# Altium PCB smart-ring-main.PcbDoc (part 6 of 6)
Units mm, origin at the board's own origin, x right, y up, seen from the top; angles counter-clockwise.
Board outline 62.7 x 25.3 mm, 6 copper layers (S1 Copper top, S2 Flex copper top, S3 Flex copper inner 1, S4 Flex copper inner 2, S5 Flex copper bottom, S6 Copper bottom), stack 0.511 mm thick; 75 components, 47 nets, 265 pads, 262 vias.
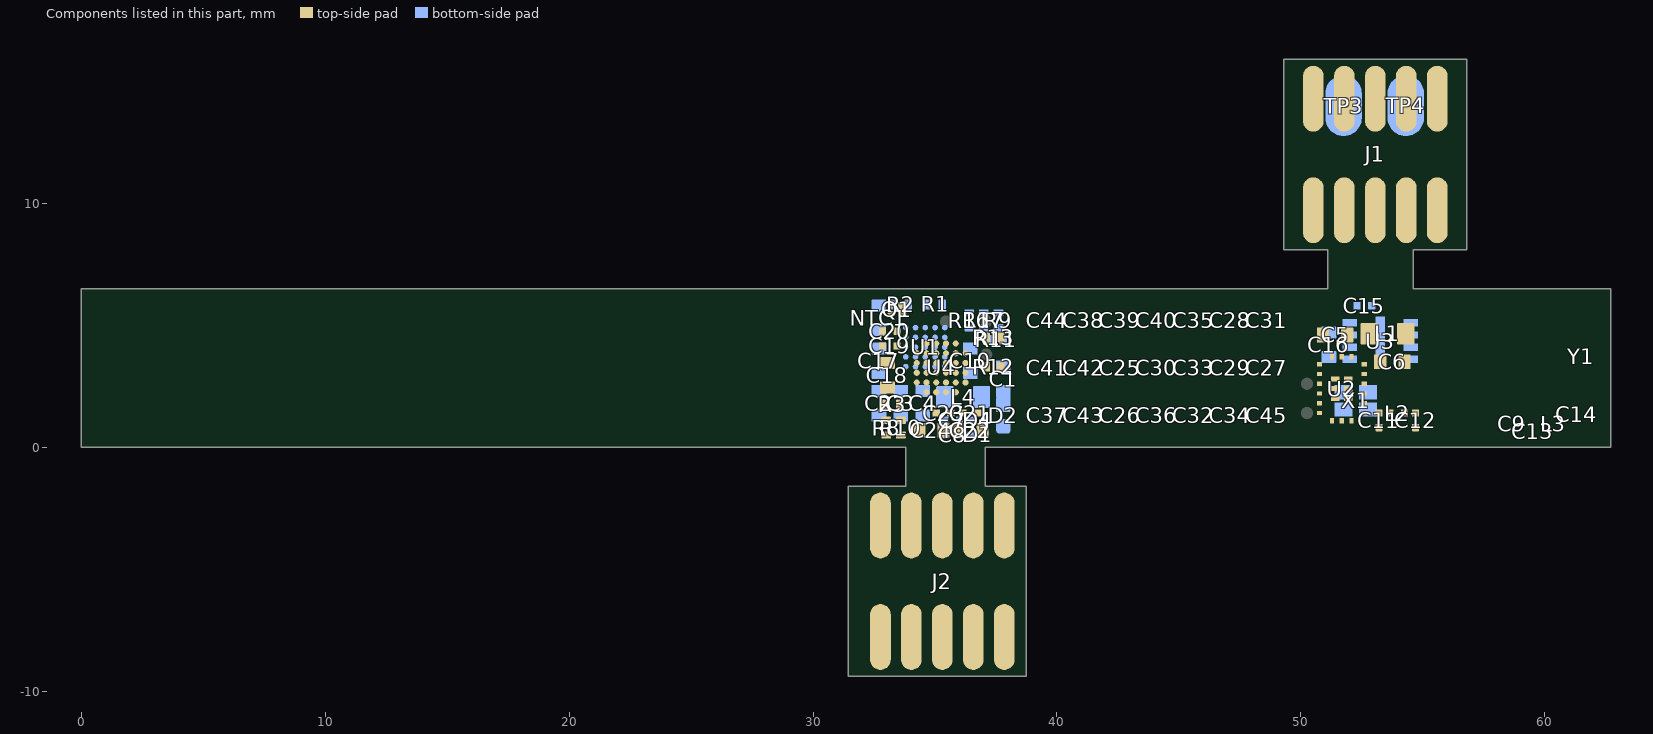
[diagram p10: the components of this part, seen from the top]

## Other copper (continued)
S3 Flex copper inner 1:
  rectangle net GND: 55.7,5.728 56.7,6.297
  rectangle net GND: 55.683,0.201 56.683,1.74
  text "Layer: .Layer_name" at 0,10.564 h3
S4 Flex copper inner 2:
  rectangle net GND: 55.7,5.728 56.7,6.298
  rectangle net GND: 55.683,0.201 56.683,1.74
  text "Layer: .Layer_name" at 0,10.564 h3
S5 Flex copper bottom:
  rectangle net GND: 55.7,5.728 56.7,6.298
  rectangle net GND: 55.683,0.201 56.683,1.74
  pour cut-out: 53.165,1.89 52.335,1.89 52.335,1.21 53.165,1.21
  pour cut-out: 51.335,2.59 52.165,2.59 52.165,1.91 51.335,1.91
  text "Layer: .Layer_name" at 0,10.564 h3
S6 Copper bottom:
  text "Layer: .Layer_name" at 0,10.564 h3

## Silkscreen, mask and mechanical layers (free items; w line width, h text height)
Top Overlay:
  text "Layer: .Layer_name" at 0,10.564 h3
Bottom Overlay:
  text "Layer: .Layer_name" at 0,10.564 h3
Top Paste:
  text "Layer: .Layer_name" at 0,10.564 h3
Bottom Paste:
  text "Layer: .Layer_name" at 0,10.564 h3
Top Solder:
  text "Layer: .Layer_name" at 0,10.564 h3
  text "Mikolaj" at 53.695,5.258 h0.8
Bottom Solder:
  text "Layer: .Layer_name" at 0,10.564 h3
M4 Dimensions:
  text "Layer: .Layer_name" at 0,10.564 h3
M5 Board Outline:
  lines w0.1: 0,0 0,6.5 38.5,6.5 51.1,6.5 51.1,8.1 49.3,8.1 49.3,15.9 56.8,15.9 56.8,8.1 54.6,8.1 54.6,6.5 62.7,6.5 62.7,0 37.6,0 37.05,0 37.05,-1.6 38.75,-1.6 38.75,-9.4 31.45,-9.4 31.45,-1.6 33.8,-1.6 33.8,0 0,0
  text "Layer: .Layer_name" at 0,10.564 h3
M6 Rigid Outline:
  lines w0.1: 32,6.5 38.5,6.5 ; 32,6.5 38.5,6.5 ; 32,6.5 32,0 38.5,0 38.5,6.5 ; 49.7,6.5 49.7,0 56.2,0 56.2,6.5 ; 49.7,6.5 56.2,6.5 ; 49.7,6.5 56.2,6.5 ; 31.45,-9.4 31.45,-1.6 38.75,-1.6 38.75,-9.4 31.45,-9.4 ; 49.3,8.1 49.3,15.9 56.8,15.9 56.8,8.1 49.3,8.1
  text "RIGID" at 51.3,11.519 h1.6
  text "Layer: .Layer_name" at 0,10.564 h3
  text "RIGID" at 33.3,3.019 h1.6
  text "RIGID" at 51,3.019 h1.6
  text "RIGID" at 33.3,-5.981 h1.6
M10 Design notes:
  drawing of 549 lines, arcs and shapes, not listed
  text "Layer: .Layer_name" at 0,10.564 h3
Top 3D Body:
  text "Layer: .Layer_name" at 0,10.564 h3
Bottom 3D Body:
  text "Layer: .Layer_name" at 0,10.564 h3
Top Assembly:
  text "Layer: .Layer_name" at 0,10.564 h3
Bottom Assembly:
  text "Layer: .Layer_name" at 0,10.564 h3
M20 Keep out microvia:
  region: 51.1,5.7 51.1,6.5 54.6,6.5 54.6,5.7
  region: 55.4,6.5 56.2,6.5 56.2,0 55.4,0
  region: 50.5,0 49.7,0 49.7,6.5 50.5,6.5
  region: 37.05,0.8 37.05,0 33.8,0 33.8,0.8
  region: 32.8,0 32,0 32,6.5 32.8,6.5
  region: 37.7,6.5 38.5,6.5 38.5,0 37.7,0
  text "Microvia holes on rigid cannot exist close to rigid-flex boundary" at 41.3,-2.562 h1
M21 Keep out via:
  region: 33.8,-1.6 33.8,-2.3 37.05,-2.3 37.05,-1.6
  region: 51.1,8.8 51.1,8.1 54.6,8.1 54.6,8.8
  region: 51.1,6.5 51.1,5.8 54.6,5.8 54.6,6.5
  region: 49.7,0 50.4,0 50.4,6.5 49.7,6.5
  region: 56.2,6.5 55.5,6.5 55.5,0 56.2,0
  region: 37.05,0 37.05,0.7 33.8,0.7 33.8,0
  region: 32,0 32.7,0 32.7,6.5 32,6.5
  region: 38.5,6.5 37.8,6.5 37.8,0 38.5,0
  text "Via holes on rigid cannot exist close to rigid-flex boundary" at 41.301,-3.812 h1
M22 Keep out buried via:
  region: 33.8,0 33.8,0.7 37.05,0.7 37.05,0
  region: 54.6,6.5 54.6,5.8 51.1,5.8 51.1,6.5
  region: 56.2,0 55.5,0 55.5,6.5 56.2,6.5
  region: 49.7,6.5 50.4,6.5 50.4,0 49.7,0
  region: 38.5,0 37.8,0 37.8,6.5 38.5,6.5
  region: 32,6.5 32.7,6.5 32.7,0 32,0
  region: 33.8,-1.6 33.8,0 37.05,0 37.05,-1.6
  region: 51.1,6.5 51.1,8.1 54.6,8.1 54.6,6.5
  region: 56.2,6.5 57.2,6.5 57.2,0 56.2,0
  region: 49.7,0 48.7,0 48.7,6.5 49.7,6.5
  region: 32,0 31,0 31,6.5 32,6.5
  region: 38.5,6.5 39.5,6.5 39.5,0 38.5,0
  text "Blind via holes on flex cannot exist close to rigid-flex boundary" at 41.3,-5.112 h1
M25 Test points top:
  text "GND" at 50.646,14 h0.4 r90
  text "GND" at 53.196,14 h0.4 r90
  text "GND" at 54.446,14 h0.4 r90
  text "1V8" at 55.746,14 h0.4 r90
  text "DIALOG_RESET" at 50.629,8.4 h0.4 r90
  text "DIALOG_SWCLK" at 54.429,8.4 h0.4 r90
  text "DIALOG_SWDIO" at 55.729,8.4 h0.4 r90
  text "TP9" at 35,4.956 h0.6
  text "TP8" at 36.6,4.956 h0.6
  text "TP7" at 36.65,3.6 h0.6
  text "TP5" at 49.8,2.406 h0.6
  text "TP6" at 49.8,1.206 h0.6
  text "ATMEL_RESET" at 37.979,-4.5 h0.4 r90
  text "ATMEL_SWDIO" at 32.879,-4.55 h0.4 r90
  text "ATMEL_SWCLK" at 34.129,-4.55 h0.4 r90
  text "1V8" at 32.896,-8.05 h0.4 r90
  text "GND" at 34.196,-8.15 h0.4 r90
  text "GND" at 35.446,-8.15 h0.4 r90
  text "GND" at 37.996,-8.2 h0.4 r90
M26 Test points bottom:
  text "PAD4: GND" at 7,5.258 h0.8
  text "PAD1: VBAT" at 31,4.55 h0.6
  text "PAD6: MOTOR-" at 7,3.608 h0.8
  text "PAD5: VHAP" at 7,2.408 h0.8
  text "PAD2: GND" at 30.9,1.606 h0.6
  text "PAD3: COIL+" at 7,0.759 h0.8

## Dimensions
0,0 to 32,-2 on M4 Dimensions
0,0.5 to 0.5,0.5 on M10 Design notes
0.5,0.5 to 9.5,0.5 on M10 Design notes
9.5,0.5 to 10,0.5 on M10 Design notes
10,0.5 to 29.5,0.5 on M10 Design notes
29.5,1.25 to 32,1.25 on M10 Design notes
62.7,6.5 to 62.7,0 on M4 Dimensions
32,0 to 38.5,0 on M4 Dimensions
38.5,-0.1 to 49.7,0 on M4 Dimensions
49.7,0 to 56.2,0 on M4 Dimensions
56.2,0 to 62.7,0 on M4 Dimensions